# Allegro board 1119394-C028P02-36-DE2-C01_pcb.brd (continued)
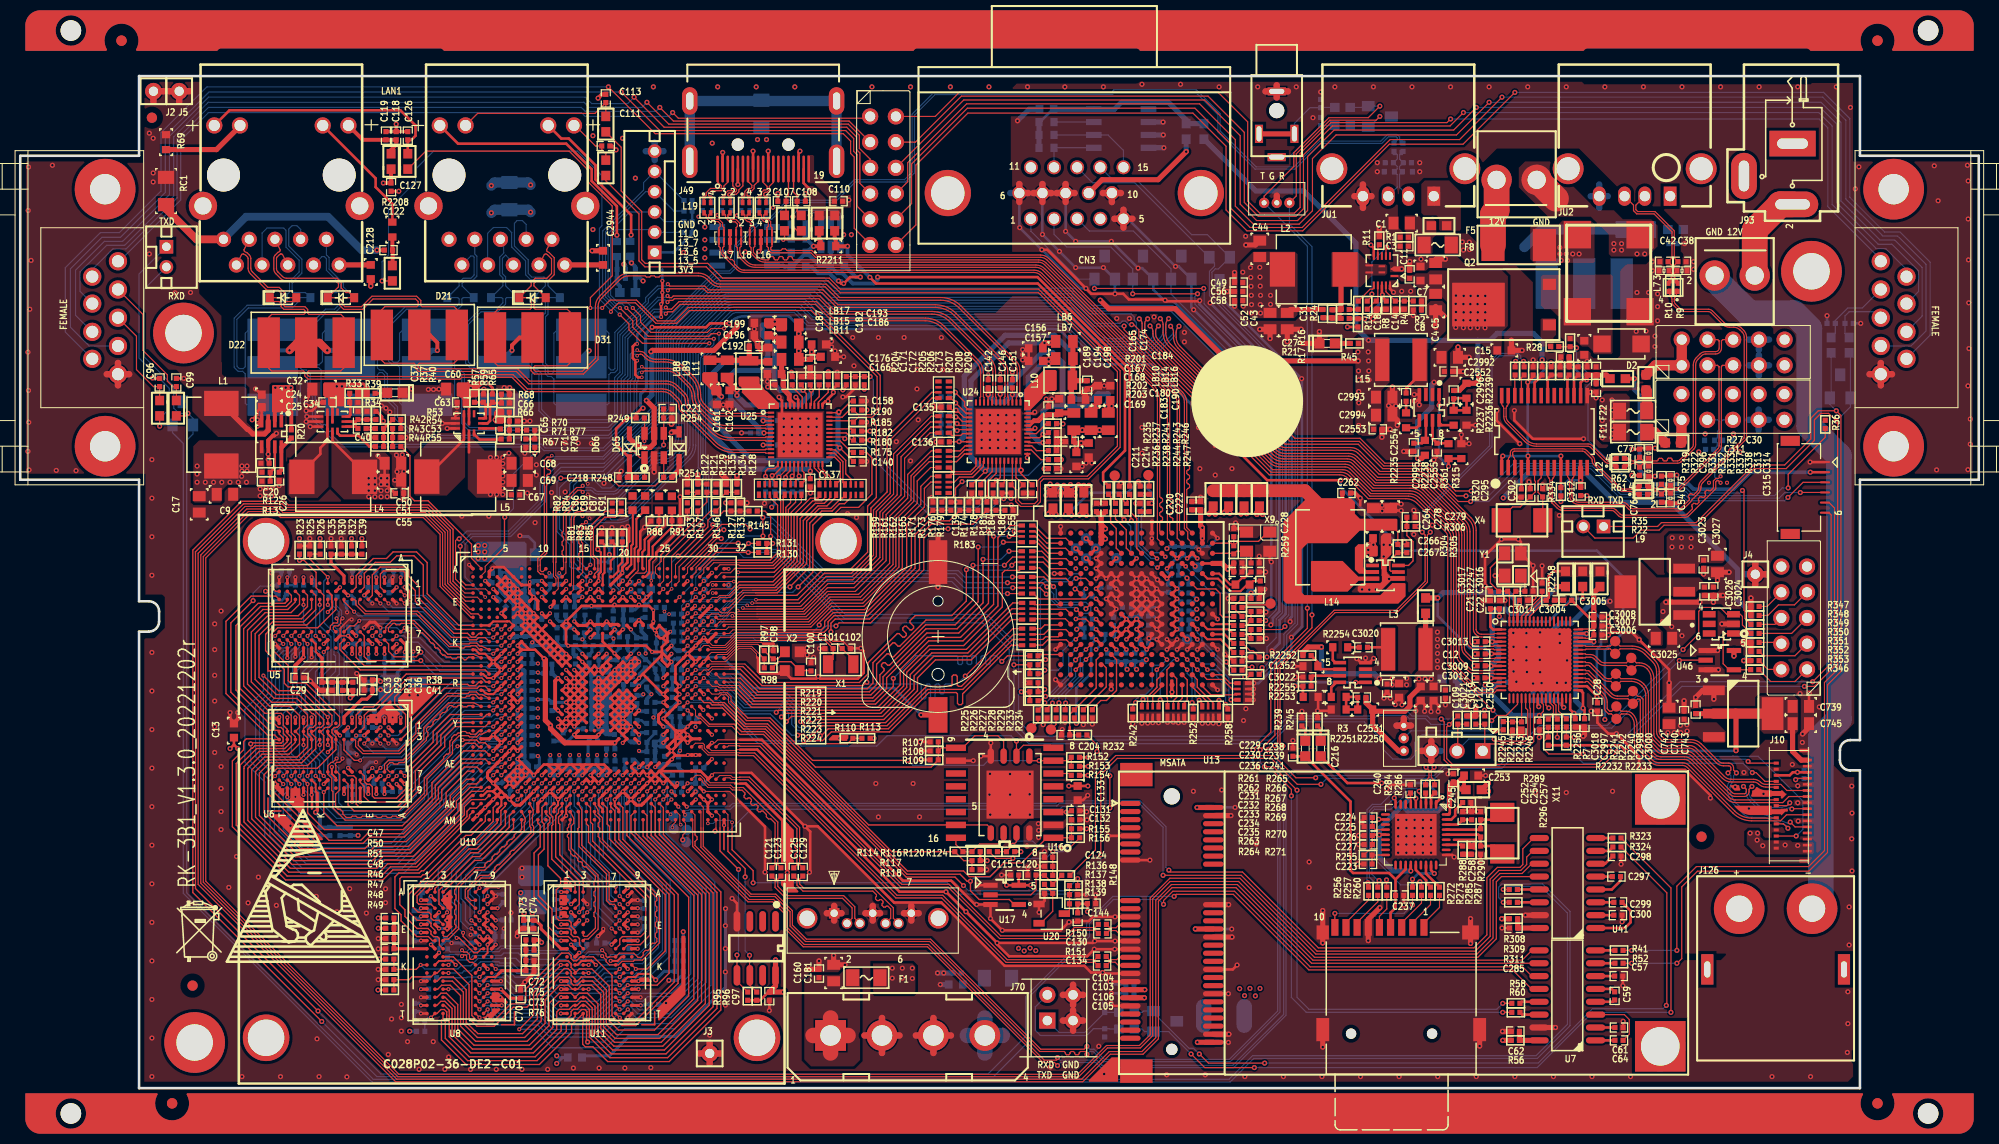
[diagram p0: board, top side]
## Routing (per net, layer and track width the routed paths; a pad name or vN(x,y) marks a point on that pad's centre or on a via; arc(x,y) is an arc through that point) (continued)
  TOP w0.635: CON1.7 88.74,17.29 ; CON1.7 88.01,16.56 ; CON1.7 87.29,17.29 ; CON1.7 88.01,18.01 ; 106.93,88.44 CN3.10 ; CN3.10 107.82,87.55 ; CN3.10 108.71,88.44 ; CN3.7 100.97,89.33 ; CN3.7 100.08,88.44 ; CN3.7 101.85,88.44 ; CN3.7 100.97,87.55 ; J3.1 69.13,3.43 ; J3.1 68.1,2.4 ; J3.1 68.1,4.46 ; J3.1 67.07,3.43 ; 85.12,3.48 J70.2 ; J70.2 83.39,5.21 ; J70.2 86.84,5.21 ; J70.2 85.12,6.93 ; 135.94,35.82 J122.3 ; J122.3 137.36,35.82 ; J122.3 136.65,36.54 ; 9.65,69.44 J23.1 ; J23.1 8.55,70.54 ; J23.1 9.65,71.65 ; J23.1 10.76,70.54 ; 98.68,87.55 CN3.6 ; CN3.6 98.68,89.33 ; CN3.6 99.57,88.44 ; 171.37,49.75 J4.1 ; J4.1 171.37,51.8 ; J4.1 172.4,50.77 ; 138.4,33.32 J121.3 ; J121.3 139.37,34.29 ; J121.3 139.37,32.36 ; 84.2,16.56 CON1.4 ; CON1.4 83.48,17.29 ; CON1.4 84.93,17.29 ; CON1.4 84.2,18.01 ; JU1.4 133.46,88.13 ; JU1.4 131.78,88.13 ; JU1.4 132.62,86.98 ; JU1.4 132.62,89.29 ; 102.36,88.44 CN3.8 ; CN3.8 104.14,88.44 ; CN3.8 103.25,89.33 ; CN3.8 103.25,87.55 ; 103.99,5.68 J124.3 ; J124.3 103.99,7.68 ; J124.3 102.98,6.68 ; J124.3 104.99,6.68 ; J70.3 90.2,6.93 ; J70.3 88.47,5.21 ; J70.3 90.2,3.48 ; J70.3 91.92,5.21 ; 15.7,97.47 J5.1 ; J5.1 16.73,98.5 ; J5.1 14.67,98.5 ; J124.4 104.99,9.22 ; J124.4 103.99,8.22 ; J124.4 103.99,10.22 ; J124.4 102.98,9.22 ; CON1.1 80.39,18.01 ; CON1.1 81.12,17.29 ; CON1.1 79.67,17.29 ; CON1.1 80.39,16.56 ; 13.16,97.47 J2.1 14.19,98.5 ; J22.5 184.87,70.54 ; J22.5 183.77,71.65 ; J22.5 183.77,69.44 ; J22.5 182.67,70.54 ; 108.97,85.01 CN3.5 ; CN3.5 108.08,85.9 ; CN3.5 109.86,85.9 ; CN3.5 108.97,86.79 ; J123.2 124.11,88.19 ; J111.6 125.21,98.49 ; J111.6 123,98.49 ; J111.6 124.1,99.09 ; J111.6 124.1,97.88
  GND02 w0.635: 90.2,3.48 J70.3 ; J70.3 90.2,6.93 ; J70.3 91.92,5.21 ; J70.3 88.47,5.21 ; CON1.7 88.01,18.01 ; CON1.7 87.29,17.29 ; CON1.7 88.74,17.29 ; CON1.7 88.01,16.56 ; 108.08,85.9 CN3.5 ; CN3.5 108.97,86.79 ; CN3.5 108.97,85.01 ; CN3.5 109.86,85.9 ; 103.99,5.68 J124.3 ; J124.3 104.99,6.68 ; J124.3 102.98,6.68 ; J124.3 103.99,7.68 ; J3.1 68.1,4.46 ; J3.1 68.1,2.4 ; J3.1 67.07,3.43 ; J3.1 69.13,3.43 ; 131.78,88.13 JU1.4 ; JU1.4 132.62,89.29 ; JU1.4 132.62,86.98 ; JU1.4 133.46,88.13 ; J95.7 171.7,67.04 ; J95.7 172.71,66.04 ; J95.7 170.7,66.04 ; J95.7 171.7,65.03 ; 139.37,32.36 J121.3 ; J121.3 138.4,33.32 ; J121.3 140.34,33.32 ; J121.3 139.37,34.29 ; 171.73,70.42 J103.7 ; J103.7 172.73,71.42 ; J103.7 170.73,71.42 ; J103.7 171.73,72.42 ; CON1.1 80.39,18.01 ; CON1.1 81.12,17.29 ; CON1.1 79.67,17.29 ; CON1.1 80.39,16.56 ; CON1.4 84.2,18.01 ; CON1.4 84.93,17.29 ; CON1.4 83.48,17.29 ; CON1.4 84.2,16.56 ; 183.77,69.44 J22.5 ; J22.5 182.67,70.54 ; J22.5 184.87,70.54 ; J22.5 183.77,71.65 ; 14.19,98.5 J2.1 13.16,97.47 ; CN3.10 108.71,88.44 ; CN3.10 106.93,88.44 ; CN3.10 107.82,89.33 ; CN3.10 107.82,87.55 ; 170.73,73.96 J103.8 ; J103.8 172.73,73.96 ; J103.8 171.73,74.96 ; J103.8 171.73,72.96 ; 171.37,49.75 J4.1 ; J4.1 170.34,50.77 ; J4.1 172.4,50.77 ; J4.1 171.37,51.8 ; 98.68,87.55 CN3.6 ; CN3.6 99.57,88.44 ; CN3.6 97.79,88.44 ; CN3.6 98.68,89.33 ; JU2.4 155.96,89.29 ; JU2.4 156.8,88.13 ; JU2.4 155.96,86.98 ; JU2.4 155.12,88.13 ; J111.6 125.21,98.49 ; J111.6 123,98.49 ; J111.6 124.1,99.09 ; J111.6 124.1,97.88 ; 8.55,70.54 J23.1 ; J23.1 10.76,70.54 ; J23.1 9.65,69.44 ; J23.1 9.65,71.65 ; 85.12,3.48 J70.2 ; J70.2 83.39,5.21 ; J70.2 86.84,5.21 ; J70.2 85.12,6.93 ; 61.78,92.58 J128.6 ; J128.6 63.54,92.58 ; J128.6 62.66,93.45 ; J128.6 62.66,91.7 ; 103.25,87.55 CN3.8 ; CN3.8 102.36,88.44 ; CN3.8 104.14,88.44 ; CN3.8 103.25,89.33 ; J5.1 16.73,98.5 ; J5.1 15.7,97.47 ; J5.1 14.67,98.5 ; 103.99,8.22 J124.4 ; J124.4 103.99,10.22 ; J124.4 102.98,9.22 ; J124.4 104.99,9.22 ; J122.3 137.36,35.82 ; J122.3 135.94,35.82 ; J122.3 136.65,36.54 ; CN3.7 100.97,89.33 ; CN3.7 100.08,88.44 ; CN3.7 101.85,88.44 ; CN3.7 100.97,87.55 ; 124.11,88.19 J123.2 124.11,86.77
  GND02 w1.016: 56.82,92.84 51.74,92.84 50.41,91.5 v2(50.41,89.24) 46.6,89.24 v2(46.53,89.18) 46.53,90.81 44.75,92.58 39.17,92.58
  PWR03 w0.254: v2(41.35,69.06) 40.84,69.06 v2(40.82,69.04) v2(40.31,69.04) ; v2(28.24,68.07) v2(28.24,67.44) v2(28.24,66.93) 28.24,66.42 v2(28.3,66.36) 28.3,65.92 v2(28.24,65.86) 28.64,65.46 v2(28.64,65.36) ; v2(23.42,65.41) v2(23.42,66.04) v2(22.91,66.04) ; v2(24.49,62.64) v2(24.49,62.13) ; v2(36.5,66.8) v2(36.12,67.18) 35.89,67.41 v2(35.66,67.41) ; v2(48.34,69.22) v2(47.8,69.22) ; v2(50.34,65.91) v2(49.78,65.91)
  BOTTOM w0.095: R390.1 C350.2 ; C442.2 v3(50.32,50.01)
  BOTTOM w0.127: v1(46.16,18.18) 45.75,18.59 45.75,19.33 45.83,19.41 v1(45.83,20.31) ; v1(59.52,48.52) 59.13,48.91 59.13,49.28 58.65,49.76 58.65,53.34 58.39,53.59 C391.2 ; v1(38.44,45.04) 37.66,45.04 37.21,45.49 v1(35.58,45.49)
  BOTTOM w0.254: v4(108.26,48.35) 108.86,47.74 C340.2 ; C348.2 C347.2 104.47,45.47 ; C2989.2 v2(119.66,15.72) ; C143.2 75.25,63.55 v2(75.41,63.72) ; v2(73.51,57.78) 73.61,57.89 R370.2 ; C330.2 112.61,49 v4(112.26,49.35) ; v2(90.2,67.41) 90.2,67.69 90.81,68.3 R375.2 ; C19.1 151.76,40.03 v2(151.79,40.06) ; C455.2 50.82,53.88 50.19,54.51 49.43,54.51 v2(49.35,54.58) ; R397.1 R396.2 v2(58.19,52.73) C391.2 ; C349.2 105.05,49.14 v4(105.26,49.35) ; 63.63,46.62 C360.2 ; 63.63,46.62 63.84,46.84 v3(64.08,46.84) R388.2 ; 63.63,46.62 v3(63.63,47.09) C362.2 ; C345.2 108.1,49.5 v4(108.26,49.35) ; C343.2 107.16,44.25 v4(106.26,43.35) ; v4(118.26,54.35) 117.43,53.52 116.71,53.52 v4(116.41,53.22) 116.11,53.52 C319.2 C326.2 C329.2 113.46,53.52 v2(113.26,53.31) ; C2986.2 107.92,10.26 v2(107.65,10.53) ; v4(112.26,46.35) 111.97,46.63 C332.2 C331.2 112.08,47.52 v4(112.26,47.35) ; v2(147.78,40.16) 147.73,40.11 C2999.2 ; v3(62.33,50.14) 62.28,50.19 C368.2 ; v2(116.5,77.81) 116.49,77.8 116.49,77.44 124.99,68.94 124.99,46.86 124.38,46.25 124.38,43.97 v2(123.62,43.21) ; 104.47,45.47 v2(104.34,45.34) ; 104.47,45.47 105.08,46.08 C346.2 ; v2(40.31,69.04) v2(40.82,69.04) 40.84,69.06 v2(41.35,69.06) ; v2(116.2,47.32) 116.03,47.14 C323.2 ; v2(125.43,46.1) 125.43,46.41 125.61,46.6 125.61,69.51 v2(125.37,69.75) v2(117.53,77.6) ; v2(123.52,45.77) 123.72,45.97 123.72,46.47 124.36,47.11 124.36,68.45 v2(124.1,68.71) v2(115.9,76.91) 115.68,77.13 115.68,79.92 D24.1 114.44,81.19 v2(114.11,81.19) 109.4,85.9 CN3.5 ; 67.84,32.04 67.51,31.71 R380.2 ; C325.2 C324.2 116.1,46.25 v2(116.23,46.38) ; v2(48.34,69.22) v2(47.8,69.22) ; v2(111.23,42.34) 111.05,42.16 C336.2 C337.2 ; v2(28.24,68.07) v2(28.24,67.44) v2(28.24,66.93) 28.24,66.42 v2(28.3,66.36) 28.3,65.92 v2(28.24,65.86) 28.24,65.76 v2(28.64,65.36) ; C338.2 109.75,47.84 v4(110.26,48.35) ; C370.2 62.69,35.05 61.9,34.26 C366.2 ; C344.2 C341.2 C339.2 ; v2(121.83,40.02) 122.31,40.02 125.55,43.26 v2(125.55,44.55) 126.59,45.59 126.59,70.08 v2(126.57,70.1) 118.47,78.21 v2(118.47,78.66) D23.3 ; v1(65.12,38.12) 64.84,38.12 64.29,37.57 C357.2 ; v2(111.48,44.45) 111.51,44.42 112.18,44.42 v4(112.26,44.35) ; v2(111.48,44.45) 111.46,44.42 C335.2 ; v2(111.48,44.45) 111.48,44.5 111.46,44.53 C334.2 ; v4(108.26,47.35) 107.98,47.06 C342.2 ; v1(63.42,79.76) 63.42,80.9 ; C322.2 115.93,48.03 v2(116.2,48.31) 115.6,48.92 C321.2 ; R393.2 61.26,49.12 v1(61.87,48.51) ; v1(32.28,47.02) 32.28,47.4 32.19,47.49 C497.2 ; C3029.2 v2(164.39,83.44) ; C505.2 27.17,49.71 C502.2 ; v2(109.32,41.38) 109.19,41.5 C339.2 ; v3(53.24,50.9) R401.2 ; C320.2 115.44,50.19 v2(115.24,50.39) 114.94,50.7 C328.2 C327.2 ; CN3.8 v2(103.25,84.66) v2(104.24,83.67) v2(107.77,83.67) v2(110.41,81.03) 110.82,81.03 D25.1 111.91,78.89 112.95,77.85 v2(113.08,77.85) 113.18,77.75 113.89,77.75 123.57,68.07 v2(123.57,67.64) v2(123.57,51.99) 123.57,47.57 v2(123.04,47.04) ; C148.2 v2(71.25,64.74) ; C16.2 150.32,39.98 v2(150.27,40.03) ; C2988.2 v2(119.33,4.52) ; C94.2 v2(178.46,76.33) ; v3(60.94,73.53) 60.94,74.48 62.66,76.2 v1(63.3,76.2) ; C152.2 75.22,65.96 v2(75.41,66.16) ; v3(52.25,50.9) 52.35,50.8 R402.2 ; v2(35.66,67.41) 35.89,67.41 v2(36.12,67.18) v2(36.5,66.8) ; C333.2 111.86,45.75 v4(112.26,45.35) ; C3002.1 v2(149.43,39.98) ; C339.2 C337.2 ; v2(110.26,41.38) 110.08,41.55 C337.2 ; v2(105.26,79.02) 104.72,79.02 v2(100.9,82.84) v2(98.72,85.03) 98.68,85.06 CN3.6 ; C382.2 59.73,31.38 60.19,30.92 v1(60.32,30.92) ; v2(50.34,65.91) v2(49.78,65.91) ; v2(108.13,78.49) D26.1 v2(106.98,81.08) v2(104.24,81.08) v2(102.64,82.68) v2(100.97,84.35) CN3.7 ; v1(68.32,30.92) 67.52,30.12 R381.2 ; v2(23.42,66.04) v2(22.91,66.04) ; C2990.2 v2(119.99,27.74) ; C374.2 61.37,46.51 v1(61.11,46.25) ; C361.2 63.83,44.17 R387.1 64.54,43.94 v1(64.32,43.72) ; C2987.2 v2(107.77,9.37) ; C95.2 v2(181.79,75.57)
  BOTTOM w0.305: C423.2 53.87,48.47 v1(53.92,48.52) ; v1(33.23,32.97) 33.07,33.13 C499.2 32.35,33.25 C500.2 32.57,34.09 33.18,34.69 v1(33.18,34.85) v1(33.98,34.85) v1(34.78,34.05) v1(35.58,34.85) ; C382.2 59.72,31.52 59.72,32.35 59.75,32.38 C381.2 ; v1(60.98,14.58) 60.94,14.62 C383.2 ; C429.2 53.38,18.63 v1(53.43,18.58) ; C492.2 34.77,43.9 v1(34.78,43.89) ; C479.2 36.89,50.58 v1(36.78,50.47) 36.41,50.1 C482.2 ; v1(54.72,37.32) 54.75,37.29 C412.2 ; v1(25.58,50.47) 25.78,50.68 C504.2 25,51.11 v2(24.82,50.93) ; R399.1 54.76,46.16 v1(54.72,46.12) ; C434.2 51.21,41 v1(51.13,41.07) C445.2 ; v1(57.09,15.03) 56.93,14.87 C400.2 ; v1(65.12,38.92) 64.81,38.61 C356.2 ; v1(37.18,30.05) 37.57,29.66 C481.2 ; v1(39.59,14.58) 39.57,14.57 C476.2 ; C410.2 55.37,39.07 v1(54.72,39.72) 54.95,39.95 C409.2 ; v1(44.48,15.15) 45.19,15.15 v1(45.36,14.98) ; v1(64.32,33.32) 63.79,32.79 C359.2 ; R406.1 39.91,10.91 v1(39.58,10.58) ; C407.2 v1(56.08,32.92) 56.08,34.16 C405.2 ; C398.2 57.86,46.06 v1(57.92,46.12) ; C449.2 v1(51.13,37.52) ; C364.2 62.89,40.79 62.71,40.97 C363.2 62.71,41.48 61.85,42.34 C373.2 61.16,42.93 v1(61.11,42.93) ; C461.2 47.52,30.12 46.72,30.12 v1(46.72,30.12) ; v1(28.78,36.63) 28.78,35.91 R413.1 ; v1(35.58,45.49) 35.58,44.71 v1(35.57,44.71) ; C483.2 36.82,42.73 v1(37.18,43.09) ; C501.2 R411.2 29.55,24.95 ; v1(39.59,16.18) 40.1,16.18 C469.2 ; C447.2 v1(51.13,39.29) ; C408.2 55.04,40.84 v1(54.72,40.52) ; v2(59.46,55.4) 59.47,55.39 v1(59.47,50.92) ; C428.2 52.41,43.4 52.07,43.74 50.88,43.74 v1(50.57,44.04) ; v1(58.7,32.92) 58.75,32.87 R395.2 ; C380.2 60.5,35.54 v1(60.32,35.72) ; v1(39.58,8.98) 39.58,8.98 C471.2 ; C422.2 54.15,19.7 v1(54.15,20.29) ; C494.2 32.7,36.7 v1(32.78,36.63) ; v1(61.77,42.95) C372.2 61.77,43.71 60.88,43.71 C378.2 60.88,43.48 v1(60.32,42.92) 59.99,43.24 59.99,44.6 ; C470.2 40.21,17.26 39.87,17.26 v1(39.59,16.98) 39.33,16.72 C475.2 ; C420.2 54.64,15.84 55.21,16.4 v1(55.21,16.58) ; v1(41.36,15.78) v1(42.16,15.78) v1(42.16,16.58) ; v1(55.21,13.38) 55.36,13.38 55.96,13.98 C416.2 ; C401.2 v1(56.97,32.92) ; v1(65.92,42.92) 65.61,43.23 C354.2 64.81,43.23 v1(64.32,43.72) 64.05,43.45 64.03,43.45 63.69,43.1 C358.2 ; v1(54.72,35.72) 54.93,35.51 C414.2 ; C489.2 33.59,42.9 v1(33.58,42.91) ; v1(39.59,18.58) 39.59,19.2 C472.2 ; v1(50.57,44.04) 50.77,44.25 C436.2 C456.2 C457.2 48.84,44.48 48.36,44.48 v1(48.32,44.52) ; v1(50.57,44.04) 50.55,44.02 C443.2 ; v1(55.52,49.32) 55.39,49.45 R398.1 ; v1(48.32,28.52) 48.32,29.32 C458.2 ; C415.2 55.75,44.96 55.75,44.58 v1(55.52,44.35) ; v1(47.76,15.78) 47.71,15.72 C464.2 ; v1(35.14,32.21) 34.54,32.21 34,31.67 C490.2 ; v1(34.78,30.85) 34.92,30.7 C486.2 ; v2(26.7,25.93) 26.57,26.06 C503.2 ; v1(51.13,41.96) R404.2 C444.2 ; C417.2 v1(55.19,32.92) ; C477.2 38.75,43.06 v1(38.82,43.13) ; R385.2 C353.2 65.49,11.28 64.86,10.65 v2(64.06,10.65) ; C365.2 63.65,8.28 v2(63.78,8.41) ; C431.2 53.42,14.57 v1(53.43,14.58) ; C426.2 v1(53.24,32.92) ; v1(53.42,10.58) 54.08,10.58 R400.1 ; v1(34.38,50.47) 34.35,50.44 C487.2 ; v1(35.18,50.47) 35.11,50.53 C484.2 ; R383.2 65.18,36.09 65.2,36.07 C355.2 65.91,35.71 v1(65.92,35.72) ; v1(52.32,46.12) 52.95,45.49 ; v1(36.78,36.63) 36.77,36.64 C480.2 ; v1(61.12,33.32) 61.19,33.25 C367.2 C366.2 ; v1(60.98,15.38) 61.17,15.38 61.65,15.86 C376.2 ; C496.2 32.85,28.38 v1(32.78,28.31) v1(33.58,28.31) ; C462.2 47.17,19.16 v1(46.97,18.97) ; C421.2 v1(54.31,32.92) ; C493.2 32.83,50.52 v1(32.78,50.47) ; C460.2 v2(48.47,17.33) ; R412.1 29.11,50.14 v1(28.78,50.47) ; C485.2 34.99,36.82 v1(35.18,36.63) ; v1(53.92,35.72) 53.87,35.67 53.87,35.33 53.64,35.1 C424.2 ; C446.2 v1(51.13,40.18) ; C433.2 v1(52.35,32.92) ; C450.2 v1(51.13,36.63) ; v1(54.72,38.12) 54.78,38.18 C411.2 ; C406.2 55.75,43.74 55.75,44.12 v1(55.52,44.35) ; v1(55.52,44.35) 55.52,44.4 54.99,44.4 C418.2 ; C467.2 v1(42.6,14.34) 42.22,14.72 C468.2 41.99,14.56 41.36,13.93 v1(41.36,13.38) ; v1(53.92,38.12) 52.53,38.12 C432.2 52.48,38.13 52.2,38.4 v1(51.13,38.4) C448.2 ; C495.2 32.45,44.76 v1(32.38,44.69) ; v2(69.66,17.74) 69.66,16.07 v2(69.65,16.05) v2(69.65,13.79) v2(69.65,11.48) 69.65,9.96 64.8,5.11 60.1,5.11 58.19,3.2 55.66,3.2 C419.2 ; C396.2 v1(57.86,32.92) 57.91,32.97 C390.2 ; 67.84,32.04 v1(68.32,32.52) ; C399.2 58.42,44.6 v1(58.6,44.42) 58.6,44.02 C395.2 ; v1(34.78,47.89) v1(33.98,48.69) ; C502.2 v1(27.18,50.47) ; C427.2 v1(52.37,47.55) ; C488.2 33.97,36.22 v1(34.38,36.63) ; v1(51.52,46.92) 51.51,46.91 C435.2 ; C384.2 v1(61.11,46.25) ; v1(60.98,18.58) 61.01,18.55 C375.2 ; C351.2 65.3,39.9 v1(65.12,39.72) ; C451.2 v1(51.13,35.74) ; C473.2 38.94,6.86 C474.2 39.38,7.58 v1(39.58,7.38) ; v2(38.44,38.82) v2(39.27,38.82) ; C413.2 54.84,36.4 v1(54.72,36.52) ; C397.2 57.15,41.35 v1(57.12,41.32) 57.21,41.24 C394.2 ; C452.2 v1(51.13,34.85) ; v1(53.43,16.98) 53.3,16.85 C430.2 ; C453.2 v1(51.13,33.96) ; C438.2 51.05,31.75 51.27,31.97 51.27,32.68 v1(51.13,32.82) C454.2
  BOTTOM w0.381: R391.2 v1(64.9,30.12) C350.2 ; C463.2 47.31,48.24 47.02,48.54 46.74,48.54 v1(46.72,48.52) ; C2378.1 78.16,81.15 78.79,80.52 79.93,80.52 80.7,79.76 v2(80.82,79.76) 81.08,79.76 v2(81.33,79.5) ; C466.2 46.43,50.12 v1(45.92,50.12) ; C371.2 61.87,39.38 v1(62.34,38.92) 61.87,38.46 C369.2 ; v2(82.98,80.14) 82.54,80.14 C2991.1 ; 29.55,24.95 29.25,24.95 28.85,25.34 v2(28.85,25.43) ; v1(47.52,46.92) 47.95,47.35 C459.2 ; 60.73,80.9 60.73,81.18 v2(60.38,81.53) ; C387.2 59.59,39.27 ; C442.2 50.68,50.12 v1(51.52,50.12) ; C377.2 61.43,38.81 v1(61.54,38.92) ; 52.95,45.49 C425.2 ; C441.2 50.72,48.98 v1(50.72,48.52) 50.93,48.31 C439.2 ; C465.2 v1(46.63,51.36)
  BOTTOM w0.508: v2(98.5,95.58) 99.64,96.72 C2318.1 ; C191.2 v2(91.21,11.38) v2(90.6,11.38) ; v2(60.38,81.53) 60.33,81.58 60.33,82.17 ; U27.3 v2(112.9,94.18) ; U27.4 v2(112.95,92.91) ; C2.2 v2(142.88,37.71) ; C3001.1 v2(152.07,43.99) ; C6.1 v2(152.04,44.88) ; C195.2 v2(90.88,10.24) ; U27.2 v2(112.88,95.45)
  BOTTOM w0.635: 123,98.49 J111.6 ; J111.6 125.21,98.49 ; J111.6 124.1,99.09 ; J111.6 124.1,97.88 ; J22.5 184.87,70.54 ; J22.5 183.77,69.44 ; J22.5 183.77,71.65 ; J22.5 182.67,70.54 ; 84.2,16.56 CON1.4 ; CON1.4 84.2,18.01 ; CON1.4 84.93,17.29 ; CON1.4 83.48,17.29 ; J124.3 104.99,6.68 ; J124.3 102.98,6.68 ; J124.3 103.99,7.68 ; J23.1 9.65,71.65 ; J23.1 9.65,69.44 ; J23.1 8.55,70.54 ; J23.1 10.76,70.54 ; 83.39,5.21 J70.2 ; J70.2 86.84,5.21 ; J70.2 85.12,6.93 ; J70.2 85.12,3.48 ; 102.98,9.22 J124.4 ; J124.4 103.99,10.22 ; J124.4 103.99,8.22 ; J124.4 104.99,9.22 ; CON1.1 80.39,18.01 ; CON1.1 81.12,17.29 ; CON1.1 79.67,17.29 ; CON1.1 80.39,16.56 ; CON1.7 88.01,18.01 ; CON1.7 88.01,16.56 ; CON1.7 87.29,17.29 ; CON1.7 88.74,17.29 ; 171.73,70.42 J103.7 ; J103.7 171.73,72.42 ; J103.7 172.73,71.42 ; J103.7 170.73,71.42 ; 14.19,98.5 J2.1 13.16,97.47 ; 138.4,33.32 J121.3 ; J121.3 139.37,34.29 ; J121.3 139.37,32.36 ; J121.3 140.34,33.32 ; 102.36,88.44 CN3.8 ; CN3.8 103.25,89.33 ; CN3.8 104.14,88.44 ; 137.36,35.82 J122.3 135.94,35.82 ; 107.82,87.55 CN3.10 ; CN3.10 106.93,88.44 ; CN3.10 108.71,88.44 ; J4.1 171.37,51.8 ; J4.1 170.34,50.77 ; J4.1 171.37,49.75 ; J4.1 172.4,50.77 ; CN3.7 100.97,89.33 ; CN3.7 100.08,88.44 ; CN3.7 101.85,88.44 ; 67.07,3.43 J3.1 ; J3.1 68.1,4.46 ; J3.1 69.13,3.43 ; J3.1 68.1,2.4 ; 131.78,88.13 JU1.4 ; JU1.4 133.46,88.13 ; JU1.4 132.62,89.29 ; JU1.4 132.62,86.98 ; CN3.6 99.57,88.44 ; CN3.6 98.68,89.33 ; CN3.6 97.79,88.44 ; J95.7 172.71,66.04 ; J95.7 171.7,67.04 ; J95.7 170.7,66.04 ; J95.7 171.7,65.03 ; J103.8 172.73,73.96 ; J103.8 170.73,73.96 ; J103.8 171.73,72.96 ; J128.6 62.66,93.45 ; J128.6 62.66,91.7 ; J128.6 61.78,92.58 ; J128.6 63.54,92.58 ; J70.3 90.2,6.93 ; J70.3 88.47,5.21 ; J70.3 90.2,3.48 ; J70.3 91.92,5.21 ; 15.7,97.47 J5.1 ; J5.1 14.67,98.5 ; J5.1 16.73,98.5 ; JU2.4 156.8,88.13 ; JU2.4 155.12,88.13 ; JU2.4 155.96,89.29 ; JU2.4 155.96,86.98 ; 108.08,85.9 CN3.5 108.97,86.79
  BOTTOM w1.016: v2(46.53,89.18) 46.84,89.48 RC2.2 50.16,89.48 v2(50.41,89.24)
  vias: v1(66.98,86.11) v1(68.86,86.26) v1(70.79,86.23) v1(72.49,86.08) v1(74.35,87) v1(166.8,59.82) v1(168.58,59.82) v2(0.81,91.01) v2(0.79,86.72) v2(0.76,72.72) v2(0.81,68.94) v2(0.84,65.79) v2(0.76,62.92) v2(0.94,76.96) v2(0.86,61.09) v2(1.07,81.79) v2(3.17,91.19) v2(3.56,61.04) v2(5.51,61.01) v2(12.75,94.36) v2(12.75,82.42) v2(13,62.1) v2(13,58.29) v2(13,54.48) v2(13,50.67) v2(13,43.05) v2(13,39.24) v2(13,35.43) v2(13,31.62) v2(13,27.81) v2(13,24) v2(13,20.19) v2(13,16.38) v2(13,12.57) v2(13,8.76) v2(13,4.95) v2(13,1.14) v2(13.13,93.85) v2(13.13,90.42) v2(13.13,89.54) v2(15.29,78.59) v2(16.81,78.61) v2(19.2,45.87) v2(19.2,43.33) v2(19.2,40.79) v2(19.2,38.25) v2(19.2,35.71) v2(19.2,33.17) v2(19.84,47.14) v2(19.84,31.78) v2(19.84,29.62) v2(19.84,27.33) v2(19.84,25.55) v2(20.6,19.84) v2(21.36,22.89) v2(21.89,1.14) v2(22.5,18.31) v2(23.52,20.85) v2(23.7,59.21) v2(23.7,58.52) v2(24.28,59.26) v2(24.84,58.52) v2(24.89,59.23) v2(25.3,18.06) v2(25.7,1.14) v2(29.24,18.95) v2(29.31,4.88) v2(29.51,1.14) v2(31.27,17.42) v2(32.26,1.12) v2(32.54,19.71) v2(34.19,17.3) v2(36.08,19.69) v2(36.08,18.33) v2(36.35,3.33) v2(36.68,6.83) v2(37.64,8.28) v2(37.64,6.96) v2(37.64,5.64) v2(38.25,4.6) v2(38.66,69.09) v2(39.4,1.86) v2(40.79,4.6) v2(41.94,1.86) v2(42.32,3.07) v2(43.61,56.52) v2(44.48,1.86) v2(46.28,56.52) v2(47.02,1.86) v2(49.56,21.74) v2(49.56,20.85) v2(49.56,1.86) v2(50.09,58.8) v2(50.85,55.88) v2(50.98,61.6) v2(50.98,60.58) v2(52.1,1.86) v2(52.5,63.75) v2(52.48,58.85) v2(53.82,63.75) v2(53.82,58.9) v2(54.64,1.99) v2(55.12,63.73) v2(56.41,63.7) v2(56.57,94.11) v2(56.57,84.84) v2(57.18,1.99) v2(57.66,59.77) v2(59.49,93.85) v2(59.72,1.99) v2(60.76,89.92) v2(62.28,2.03) v2(62.53,98.93) v2(65.51,82.58) v2(67.61,85.09) v2(67.61,83.82) v2(67.61,82.93) v2(67.61,82.04) v2(68.1,5.23) v2(68.35,93.37) v2(68.88,98.93) v2(69.65,8.2) v2(69.77,62.23) v2(71.6,82.63) v2(72.69,98.93) v2(72.82,93.73) v2(73.71,93.73) v2(75.41,65.34) v2(75.41,64.53) v2(75.41,62.9) v2(76.22,66.16) v2(76.22,65.34) v2(76.22,64.53) v2(76.22,63.72) v2(76.22,62.9) v2(76.5,98.93) v2(77.04,66.16) v2(77.04,65.34) v2(77.04,64.53) v2(77.04,63.72) v2(77.04,62.9) v2(77.85,66.16) v2(77.85,65.34) v2(77.85,64.53) v2(77.85,63.72) v2(77.85,62.9) v2(78.66,66.16) v2(78.66,65.34) v2(78.66,64.53) v2(78.66,63.72) v2(78.66,62.9) v2(81.33,84.33) v2(81.71,56.77) v2(81.84,87.76) v2(82.09,84.33) v2(82.22,74.17) v2(82.35,71.37) v2(82.6,56.39) v2(84.12,98.93) v2(84.51,30.1) v2(84.76,74.17) v2(84.76,26.8) v2(86.03,70.99) v2(86.03,67.82) v2(86.54,63.88) v2(87.3,74.17) v2(87.93,98.93) v2(87.93,61.98) v2(88.19,30.1) v2(88.57,70.99) v2(88.57,69.09) v2(88.7,66.04) v2(88.82,26.8) v2(90.98,74.17) v2(91.11,70.99) v2(91.87,98.93) v2(94.96,66.5) v2(94.96,65.69) v2(94.96,64.87) v2(94.96,64.06) v2(94.96,63.25) v2(95.68,98.93) v2(95.73,29.01) v2(95.77,66.5) v2(95.77,65.69) v2(95.77,64.87) v2(95.77,64.06) v2(95.77,63.25) v2(95.78,31.06) v2(95.81,27.03) v2(96.58,66.5) v2(96.58,65.69) v2(96.58,64.87) v2(96.58,64.06) v2(96.58,63.25) v2(97.4,66.5) v2(97.4,65.69) v2(97.4,64.87) v2(97.4,64.06) v2(97.4,63.25) v2(97.74,27.03) v2(97.76,31.04) v2(97.76,29.01) v2(98.21,66.5) v2(98.21,65.69) v2(98.21,64.87) v2(98.21,64.06) v2(98.21,63.25) v2(99.49,98.93) v2(99.72,31.04) v2(99.7,29.03) v2(99.72,27.03) v2(101.75,2.08) v2(103.17,98.93) v2(106.53,4.14) v2(106.98,98.93) v2(107.06,1.4) v2(108.31,76.05) v2(109.55,76.05) v2(110.79,99.19) v2(110.79,68.45) v2(110.79,65.28) v2(110.79,62.74) v2(111.99,76.2) v2(113.23,1.32) v2(114.6,99.19) v2(114.99,74.68) v2(114.99,73.74) v2(115.87,29.34) v2(116.38,65.28) v2(116.51,61.21) v2(117.04,1.32) v2(118.03,63.5) v2(118.03,60.58) v2(118.41,98.93) v2(118.67,29.46) v2(119.68,61.21) v2(120.83,36.32) v2(121.03,84.18) v2(120.95,1.14) v2(121.06,37.49) v2(122.1,29.34) v2(122.1,24.13) v2(122.22,98.93) v2(123.24,33.45) v2(124.76,1.14) v2(126.03,98.93) v2(127.3,22.35) v2(127.3,19.81) v2(127.69,95.89) v2(128.45,98.43) v2(128.57,1.14) v2(129.84,98.93) v2(132.38,1.14) v2(132.54,49.28) v2(133.25,49.25) v2(133.65,98.93) v2(133.91,49.28) v2(134.04,91.44) v2(134.04,90.55) v2(134.67,53.7) v2(134.67,52.53) v2(135.2,50.32) v2(135.94,79.38) v2(136.1,26.51) v2(136.1,25.7) v2(136.1,24.89) v2(136.1,24.07) v2(136.1,23.26) v2(136.19,1.14) v2(136.45,78.74) v2(136.91,26.51) v2(136.91,25.7) v2(136.91,24.89) v2(136.91,24.07) v2(136.91,23.26) v2(137.34,78.74) v2(137.46,98.93) v2(137.64,54.71) v2(137.73,26.51) v2(137.73,25.7) v2(137.73,24.89) v2(137.73,24.07) v2(137.73,23.26) v2(138.23,91.44) v2(138.23,90.55) v2(138.35,81.92) v2(138.54,26.51) v2(138.54,25.7) v2(138.54,24.89) v2(138.54,24.07) v2(138.54,23.26) v2(139.35,26.51) v2(139.35,25.7) v2(139.35,24.89) v2(139.35,24.07) v2(139.35,23.26) v2(139.47,55.63) v2(140,1.14) v2(141.27,98.93) v2(143.81,1.14) v2(145.08,98.93) v2(147.47,44.98) v2(147.5,43.61) v2(147.47,42.29) v2(147.5,41.17) v2(147.62,1.14) v2(148.77,44.96) v2(148.77,43.59) v2(148.77,42.27) v2(148.82,41.12) v2(148.89,98.93) v2(149.66,29.21) v2(150.11,45.03) v2(150.06,43.59) v2(150.09,42.32) v2(150.11,41.1) v2(151.43,1.14) v2(152.02,56.59) v2(152.7,98.93) v2(152.65,40.06) v2(152.7,29.21) v2(152.78,42.27) v2(155.24,1.14) v2(156.51,98.93) v2(157.28,29.34) v2(159.05,1.14) v2(159.61,74.78) v2(159.69,78.61) v2(160.32,98.93) v2(160.58,74.8) v2(160.83,78.61) v2(161.21,81.66) v2(161.21,80.77) v2(161.47,74.3) v2(161.47,73.28) v2(161.72,78.49) v2(161.72,77.22) v2(161.72,75.82) v2(162.23,46.1) v2(162.26,47.09) v2(163.12,45.59) v2(164.13,98.93) v2(164.13,44.7) v2(165.28,81.66) v2(165.28,80.9) v2(165.79,62.87) v2(166.42,64.64) v2(167.94,98.93) v2(169.21,64.64) v2(169.39,29.77) v2(169.85,62.87) v2(170.26,31.19) v2(170.74,27.64) v2(171.75,98.93) v2(172.19,29.08) v2(173.02,1.14) v2(175.03,31.98) v2(175.56,98.93) v2(175.56,29.87) v2(175.56,28.19) v2(175.62,26.39) v2(175.79,38.99) v2(176.02,34.16) v2(176.83,1.14) v2(177.7,37.67) v2(179.37,98.93) v2(180.52,9.52) v2(180.52,6.38) v2(180.47,3.53) v2(180.64,17.91) v2(180.64,14.15) v2(180.77,96.9) v2(180.9,29.84) v2(180.92,27.18) v2(180.9,24.64) v2(180.92,21.46) v2(181.25,88.85) v2(181.61,91.03) v2(189.05,91.14) v2(189.28,61.09) v2(189.43,87.68) v2(192.33,91.19) v2(192.41,89.64) v2(192.41,85.88) v2(192.43,81.84) v2(192.38,69.39) v2(192.38,61.11) v2(192.46,77.6) v2(192.48,73.08) v2(192.61,66.12) v2(192.61,63.63) v3(55.93,54.74) v3(56.06,59.72) v3(56.06,58.67) v3(56.06,57.53) v3(56.24,56.31) v4(104.26,52.35) v4(104.26,51.35) v4(105.26,51.35)
